# KiCad board TFLN_AI_NODE_X2_routed.kicad_pcb (continued)
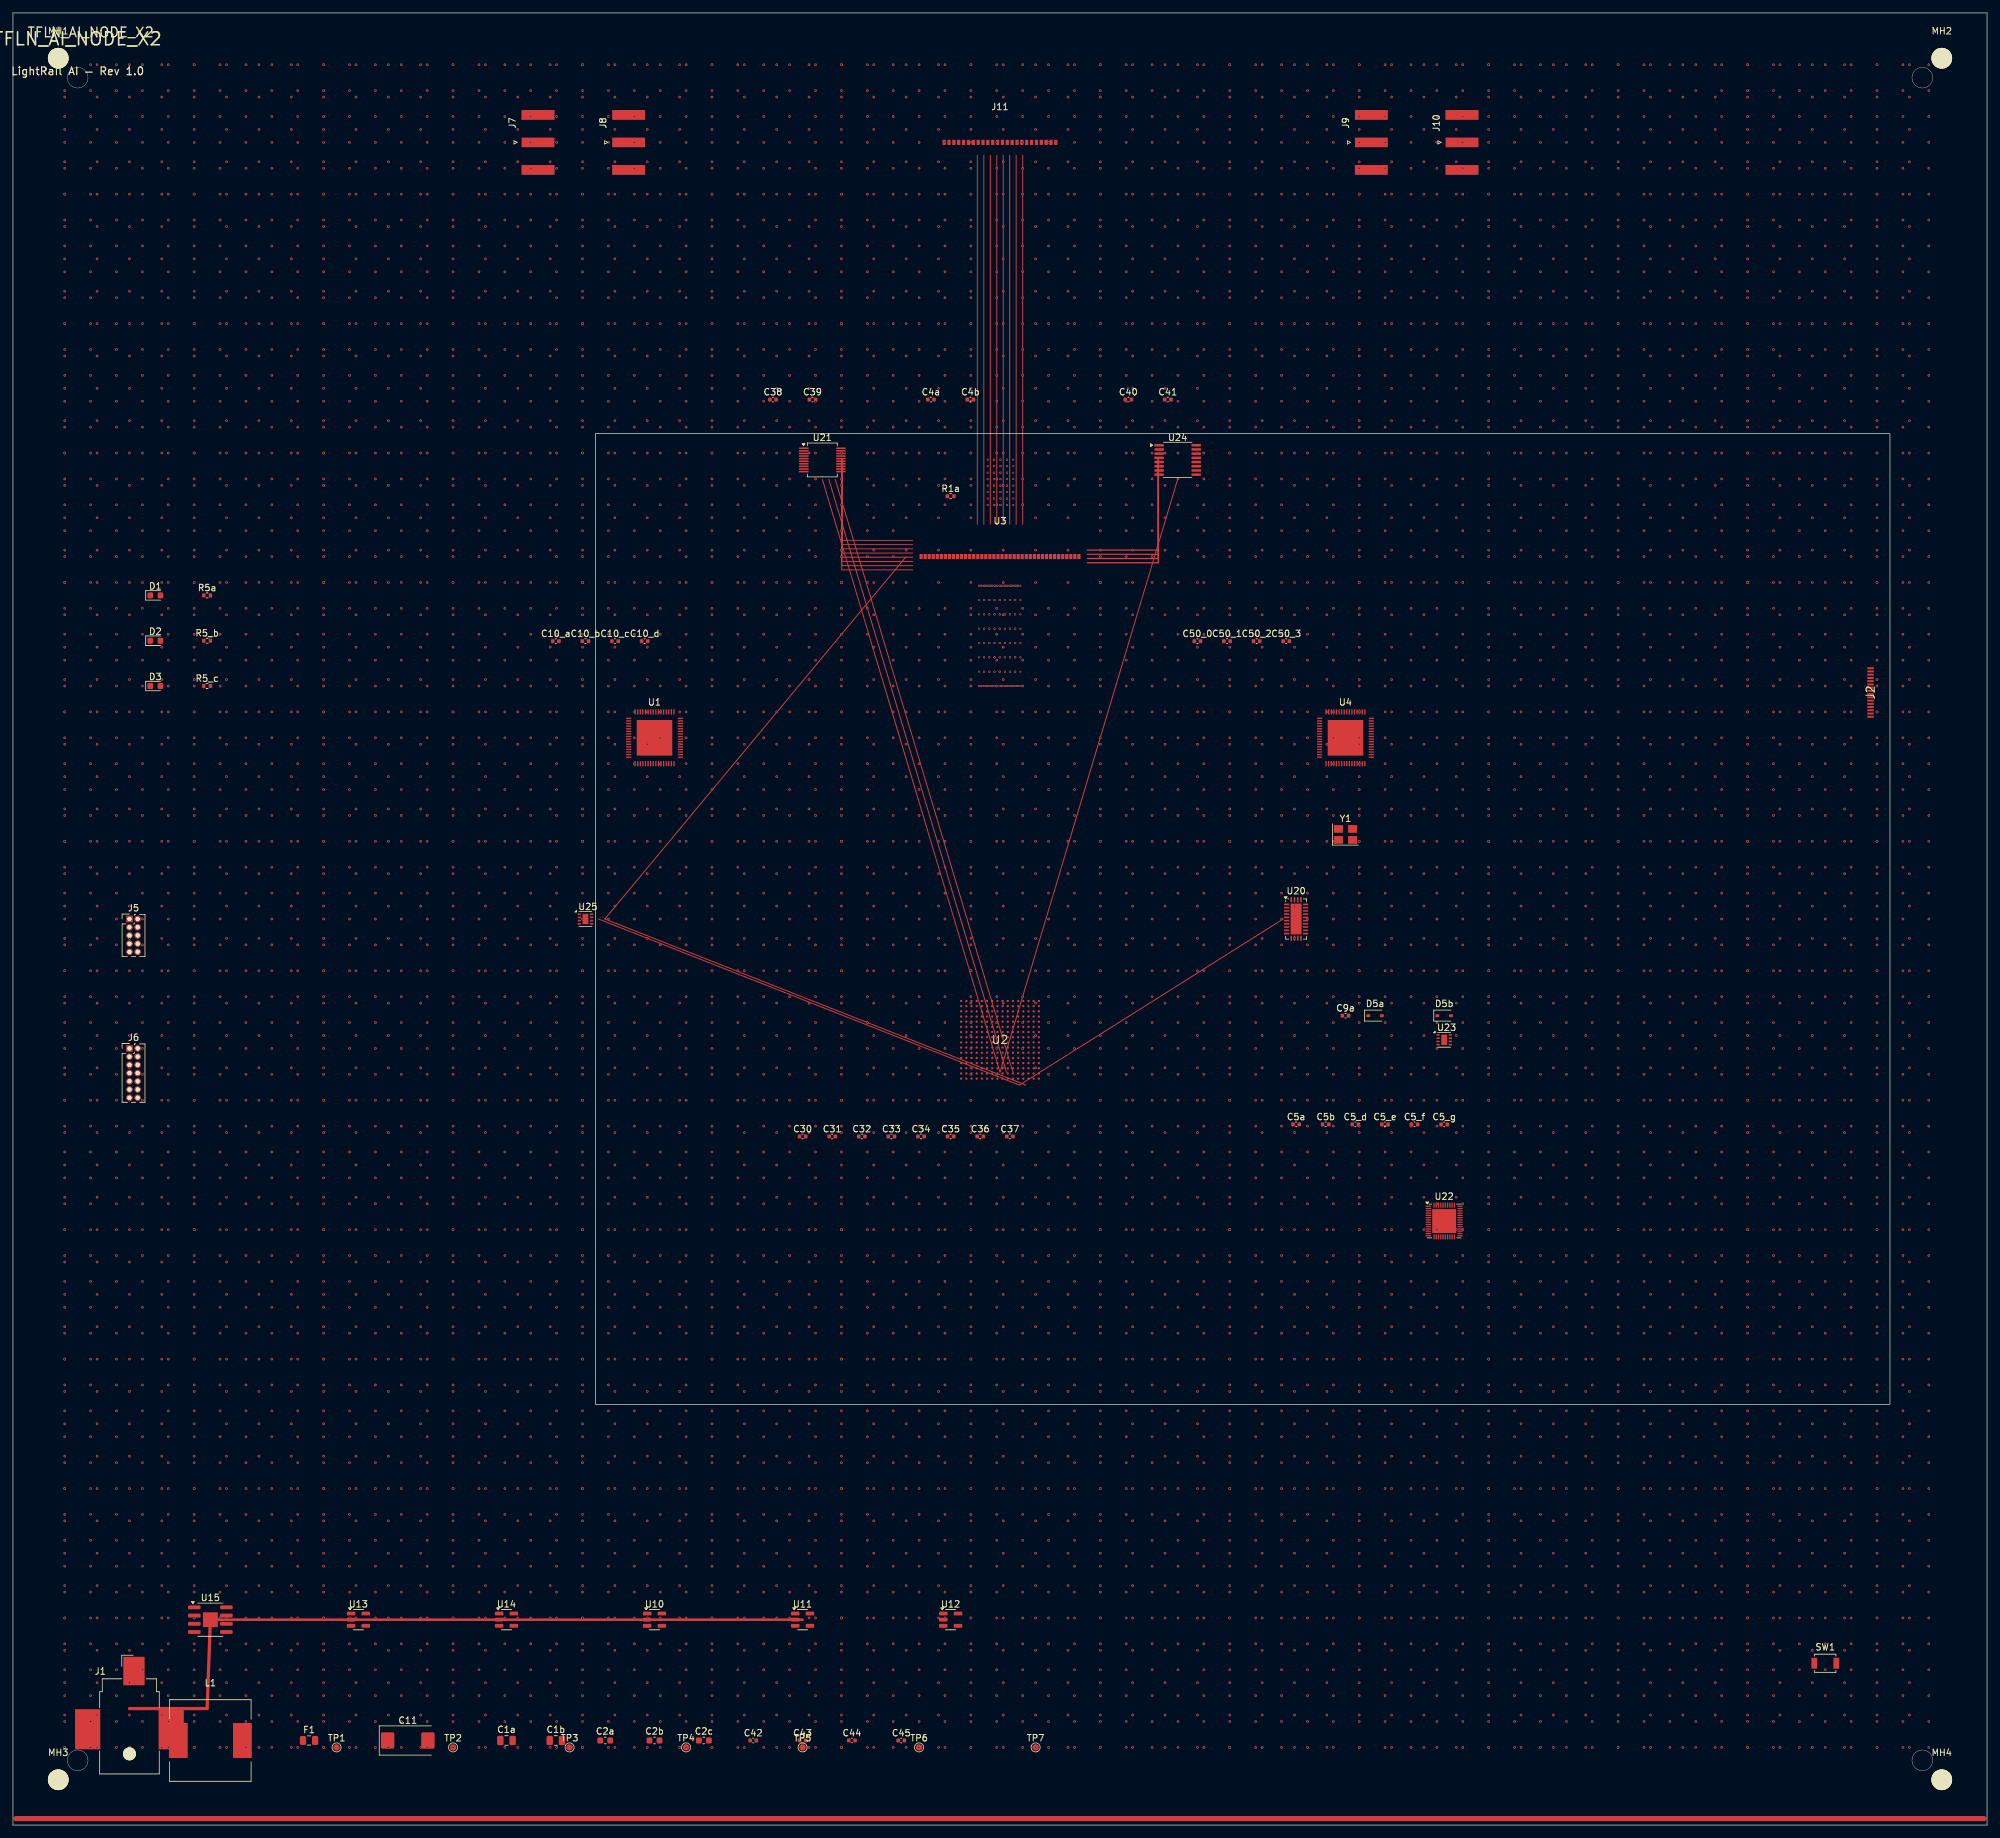
[diagram p0: board, top side]
## Routing (per net, layer and track width the routed paths; a pad name or vN(x,y) marks a point on that pad's centre or on a via; arc(x,y) is an arc through that point) (continued)
v1(143,192) v1(143,187) v1(143,182) v1(143,177) v1(143,172) v1(143,162) v1(143,157) v1(143,152) v1(143,147) v1(143,142) v1(143,137) v1(143,132) v1(143,127) v1(143,122) v1(143,117) v1(143,112) v1(143,107) v1(143,102) v1(143,97) v1(143,92) v1(143,87) v1(143,82) v1(143,77) v1(143,72) v1(143,67) v1(143,62) v1(143,57) v1(143,52) v1(143,47) v1(143,42) v1(143,37) v1(143,27) v1(143,22) v1(143,17) v1(143,12) v1(144,272) v1(144,268) v1(144,264) v1(144,256) v1(144,252) v1(144,248) v1(144,244) v1(144,240) v1(144,236) v1(144,232) v1(144,228) v1(144,224) v1(144,220) v1(144,216) v1(144,212) v1(144,208) v1(144,204) v1(144,188) v1(144,184) v1(144,180) v1(144,176) v1(144,172) v1(144,168) v1(144,164) v1(144,160) v1(144,156) v1(144,152) v1(144,148) v1(144,144) v1(144,140) v1(144,136) v1(144,132) v1(144,128) v1(144,124) v1(144,120) v1(144,116) v1(144,112) v1(144,108) v1(144,104) v1(144,100) v1(144,96) v1(144,92) v1(144,88) v1(144,84) v1(144,80) v1(144,76) v1(144,72) v1(144,68) v1(144,64) v1(144,60) v1(144,56) v1(144,52) v1(144,48) v1(144,44) v1(144,40) v1(144,36) v1(144,28) v1(144,24) v1(144,20) v1(144,16) v1(144,12) v1(148,272) v1(148,272) v1(148,268) v1(148,267) v1(148,264) v1(148,262) v1(148,260) v1(148,257) v1(148,256) v1(148,252) v1(148,252) v1(148,248) v1(148,247) v1(148,244) v1(148,242) v1(148,240) v1(148,237) v1(148,236) v1(148,232) v1(148,232) v1(148,228) v1(148,227) v1(148,224) v1(148,222) v1(148,220) v1(148,217) v1(148,216) v1(148,212) v1(148,212) v1(148,208) v1(148,207) v1(148,204) v1(148,202) v1(148,197) v1(148,192) v1(148,188) v1(148,187) v1(148,184) v1(148,182) v1(148,180) v1(148,177) v1(148,176) v1(148,172) v1(148,172) v1(148,168) v1(148,164) v1(148,162) v1(148,160) v1(148,157) v1(148,156) v1(148,152) v1(148,152) v1(148,148) v1(148,147) v1(148,144) v1(148,142) v1(148,140) v1(148,137) v1(148,136) v1(148,132) v1(148,132) v1(148,128) v1(148,124) v1(148,122) v1(148,120) v1(148,117) v1(148,116) v1(148,112) v1(148,112) v1(148,108) v1(148,107) v1(148,104) v1(148,102) v1(148,100) v1(148,97) v1(148,96) v1(148,92) v1(148,92) v1(148,88) v1(148,87) v1(148,84) v1(148,82) v1(148,80) v1(148,77) v1(148,76) v1(148,72) v1(148,72) v1(148,68) v1(148,67) v1(148,64) v1(148,62) v1(148,60) v1(148,57) v1(148,56) v1(148,52) v1(148,52) v1(148,48) v1(148,47) v1(148,44) v1(148,42) v1(148,40) v1(148,37) v1(148,36) v1(148,32) v1(148,32) v1(148,28) v1(148,27) v1(148,24) v1(148,22) v1(148,20) v1(148,17) v1(148,16) v1(148,12) v1(148,12) v1(152,272) v1(152,268) v1(152,264) v1(152,260) v1(152,256) v1(152,252) v1(152,248) v1(152,244) v1(152,240) v1(152,236) v1(152,232) v1(152,228) v1(152,224) v1(152,220) v1(152,216) v1(152,212) v1(152,208) v1(152,204) v1(152,188) v1(152,184) v1(152,180) v1(152,176) v1(152,172) v1(152,168) v1(152,164) v1(152,160) v1(152,156) v1(152,152) v1(152,148) v1(152,144) v1(152,140) v1(152,136) v1(152,132) v1(152,128) v1(152,124) v1(152,120) v1(152,116) v1(152,112) v1(152,108) v1(152,104) v1(152,100) v1(152,96) v1(152,92) v1(152,88) v1(152,84) v1(152,80) v1(152,76) v1(152,72) v1(152,68) v1(152,64) v1(152,60) v1(152,56) v1(152,52) v1(152,48) v1(152,44) v1(152,40) v1(152,36) v1(152,32) v1(152,28) v1(152,24) v1(152,20) v1(152,16) v1(152,12) v1(153,272) v1(153,267) v1(153,262) v1(153,257) v1(153,252) v1(153,247) v1(153,242) v1(153,237) v1(153,232) v1(153,227) v1(153,222) v1(153,217) v1(153,212) v1(153,207) v1(153,202) v1(153,197) v1(153,192) v1(153,187) v1(153,182) v1(153,177) v1(153,172) v1(153,167) v1(153,162) v1(153,157) v1(153,152) v1(153,147) v1(153,142) v1(153,137) v1(153,132) v1(153,122) v1(153,117) v1(153,112) v1(153,107) v1(153,102) v1(153,97) v1(153,92) v1(153,87) v1(153,82) v1(153,77) v1(153,72) v1(153,67) v1(153,62) v1(153,57) v1(153,52) v1(153,47) v1(153,42) v1(153,37) v1(153,32) v1(153,27) v1(153,22) v1(153,17) v1(153,12) v1(156,272) v1(156,268) v1(156,264) v1(156,260) v1(156,256) v1(156,252) v1(156,248) v1(156,244) v1(156,240) v1(156,236) v1(156,232) v1(156,228) v1(156,224) v1(156,220) v1(156,216) v1(156,212) v1(156,208) v1(156,204) v1(156,188) v1(156,184) v1(156,180) v1(156,176) v1(156,172) v1(156,168) v1(156,164) v1(156,160) v1(156,156) v1(156,152) v1(156,148) v1(156,144) v1(156,140) v1(156,136) v1(156,132) v1(156,128) v1(156,124) v1(156,120) v1(156,116) v1(156,112) v1(156,108) v1(156,104) v1(156,100) v1(156,96) v1(156,92) v1(156,88) v1(156,84) v1(156,80) v1(156,76) v1(156,72) v1(156,68) v1(156,64) v1(156,60) v1(156,56) v1(156,52) v1(156,48) v1(156,44) v1(156,40) v1(156,36) v1(156,32) v1(156,28) v1(156,24) v1(156,20) v1(156,16) v1(156,12) v1(158,272) v1(158,267) v1(158,262) v1(158,257) v1(158,252) v1(158,247) v1(158,242) v1(158,237) v1(158,232) v1(158,227) v1(158,222) v1(158,217) v1(158,212) v1(158,207) v1(158,202) v1(158,197) v1(158,192) v1(158,187) v1(158,182) v1(158,177) v1(158,172) v1(158,167) v1(158,162) v1(158,157) v1(158,152) v1(158,147) v1(158,142) v1(158,137) v1(158,132) v1(158,127) v1(158,122) v1(158,117) v1(158,112) v1(158,107) v1(158,102) v1(158,97) v1(158,92) v1(158,87) v1(158,82) v1(158,77) v1(158,72) v1(158,67) v1(158,62) v1(158,57) v1(158,52) v1(158,47) v1(158,42) v1(158,37) v1(158,32) v1(158,27) v1(158,22) v1(158,17) v1(158,12) v1(160,272) v1(160,268) v1(160,264) v1(160,260) v1(160,256) v1(160,252) v1(160,248) v1(160,244) v1(160,240) v1(160,236) v1(160,232) v1(160,228) v1(160,224) v1(160,220) v1(160,216) v1(160,212) v1(160,208) v1(160,204) v1(160,188) v1(160,184) v1(160,180) v1(160,176) v1(160,172) v1(160,168) v1(160,164) v1(160,160) v1(160,156) v1(160,152) v1(160,148) v1(160,144) v1(160,140) v1(160,136) v1(160,132) v1(160,128) v1(160,124) v1(160,120) v1(160,116) v1(160,112) v1(160,108) v1(160,104) v1(160,100) v1(160,96) v1(160,92) v1(160,88) v1(160,84) v1(160,80) v1(160,76) v1(160,72) v1(160,68) v1(160,64) v1(160,60) v1(160,56) v1(160,52) v1(160,48) v1(160,44) v1(160,40) v1(160,36) v1(160,32) v1(160,28) v1(160,24) v1(160,20) v1(160,16) v1(160,12) v1(163,272) v1(163,267) v1(163,262) v1(163,257) v1(163,252) v1(163,247) v1(163,242) v1(163,237) v1(163,232) v1(163,227) v1(163,222) v1(163,217) v1(163,212) v1(163,207) v1(163,202) v1(163,197) v1(163,192) v1(163,187) v1(163,182) v1(163,177) v1(163,172) v1(163,167) v1(163,162) v1(163,157) v1(163,152) v1(163,147) v1(163,142) v1(163,137) v1(163,132) v1(163,127) v1(163,122) v1(163,117) v1(163,112) v1(163,107) v1(163,102) v1(163,97) v1(163,92) v1(163,87) v1(163,82) v1(163,77) v1(163,72) v1(163,67) v1(163,62) v1(163,57) v1(163,52) v1(163,47) v1(163,42) v1(163,37) v1(163,32) v1(163,27) v1(163,22) v1(163,17) v1(163,12) v1(164,272) v1(164,268) v1(164,264) v1(164,260) v1(164,256) v1(164,252) v1(164,248) v1(164,244) v1(164,240) v1(164,236) v1(164,232) v1(164,228) v1(164,224) v1(164,220) v1(164,216) v1(164,212) v1(164,208) v1(164,204) v1(164,188) v1(164,184) v1(164,180) v1(164,176) v1(164,172) v1(164,168) v1(164,164) v1(164,160) v1(164,156) v1(164,152) v1(164,148) v1(164,144) v1(164,140) v1(164,136) v1(164,132) v1(164,128) v1(164,124) v1(164,120) v1(164,116) v1(164,112) v1(164,108) v1(164,104) v1(164,100) v1(164,96) v1(164,92) v1(164,88) v1(164,84) v1(164,80) v1(164,76) v1(164,72) v1(164,68) v1(164,64) v1(164,60) v1(164,56) v1(164,52) v1(164,48) v1(164,44) v1(164,40) v1(164,36) v1(164,32) v1(164,28) v1(164,24) v1(164,20) v1(164,16) v1(164,12) v1(168,272) v1(168,272) v1(168,268) v1(168,267) v1(168,264) v1(168,262) v1(168,260) v1(168,257) v1(168,256) v1(168,252) v1(168,252) v1(168,248) v1(168,247) v1(168,244) v1(168,242) v1(168,240) v1(168,237) v1(168,236) v1(168,232) v1(168,232) v1(168,228) v1(168,227) v1(168,224) v1(168,222) v1(168,220) v1(168,217) v1(168,216) v1(168,212) v1(168,212) v1(168,208) v1(168,207) v1(168,204) v1(168,202) v1(168,200) v1(168,197) v1(168,196) v1(168,192) v1(168,192) v1(168,188) v1(168,187) v1(168,184) v1(168,182) v1(168,180) v1(168,177) v1(168,176) v1(168,172) v1(168,172) v1(168,168) v1(168,167) v1(168,164) v1(168,162) v1(168,160) v1(168,157) v1(168,156) v1(168,152) v1(168,152) v1(168,148) v1(168,147) v1(168,144) v1(168,142) v1(168,140) v1(168,137) v1(168,136) v1(168,132) v1(168,132) v1(168,128) v1(168,127) v1(168,124) v1(168,122) v1(168,120) v1(168,117) v1(168,116) v1(168,112) v1(168,112) v1(168,108) v1(168,107) v1(168,104) v1(168,102) v1(168,100) v1(168,97) v1(168,96) v1(168,92) v1(168,92) v1(168,88) v1(168,87) v1(168,84) v1(168,82) v1(168,80) v1(168,77) v1(168,76) v1(168,72) v1(168,72) v1(168,68) v1(168,67) v1(168,64) v1(168,62) v1(168,60) v1(168,57) v1(168,56) v1(168,52) v1(168,52) v1(168,48) v1(168,47) v1(168,44) v1(168,42) v1(168,40) v1(168,37) v1(168,36) v1(168,32) v1(168,32) v1(168,28) v1(168,27) v1(168,24) v1(168,22) v1(168,20) v1(168,17) v1(168,16) v1(168,12) v1(168,12) v1(172,272) v1(172,268) v1(172,264) v1(172,260) v1(172,256) v1(172,252) v1(172,248) v1(172,244) v1(172,240) v1(172,236) v1(172,232) v1(172,228) v1(172,224) v1(172,216) v1(172,212) v1(172,208) v1(172,204) v1(172,200) v1(172,196) v1(172,192) v1(172,188) v1(172,184) v1(172,180) v1(172,176) v1(172,172) v1(172,168) v1(172,164) v1(172,160) v1(172,156) v1(172,152) v1(172,148) v1(172,144) v1(172,140) v1(172,136) v1(172,132) v1(172,128) v1(172,124) v1(172,120) v1(172,116) v1(172,112) v1(172,108) v1(172,104) v1(172,100) v1(172,96) v1(172,92) v1(172,88) v1(172,84) v1(172,80) v1(172,76) v1(172,72) v1(172,68) v1(172,64) v1(172,60) v1(172,56) v1(172,52) v1(172,48) v1(172,44) v1(172,40) v1(172,36) v1(172,32) v1(172,28) v1(172,24) v1(172,20) v1(172,16) v1(172,12) v1(173,272) v1(173,267) v1(173,262) v1(173,257) v1(173,252) v1(173,247) v1(173,242) v1(173,237) v1(173,232) v1(173,227) v1(173,222) v1(173,217) v1(173,212) v1(173,207) v1(173,202) v1(173,197) v1(173,192) v1(173,187) v1(173,182) v1(173,177) v1(173,172) v1(173,167) v1(173,162) v1(173,157) v1(173,152) v1(173,147) v1(173,142) v1(173,137) v1(173,132) v1(173,127) v1(173,122) v1(173,117) v1(173,112) v1(173,107) v1(173,102) v1(173,97) v1(173,92) v1(173,87) v1(173,82) v1(173,77) v1(173,72) v1(173,67) v1(173,62) v1(173,57) v1(173,52) v1(173,47) v1(173,42) v1(173,37) v1(173,32) v1(173,27) v1(173,22) v1(173,17) v1(173,12) v1(176,272) v1(176,268) v1(176,264) v1(176,260) v1(176,256) v1(176,252) v1(176,248) v1(176,244) v1(176,240) v1(176,236) v1(176,232) v1(176,228) v1(176,224) v1(176,220) v1(176,216) v1(176,212) v1(176,208) v1(176,204) v1(176,200) v1(176,196) v1(176,192) v1(176,188) v1(176,184) v1(176,180) v1(176,176) v1(176,172) v1(176,168) v1(176,164) v1(176,160) v1(176,156) v1(176,152) v1(176,148) v1(176,144) v1(176,140) v1(176,136) v1(176,132) v1(176,128) v1(176,124) v1(176,120) v1(176,116) v1(176,112) v1(176,108) v1(176,104) v1(176,100) v1(176,96) v1(176,92) v1(176,88) v1(176,84) v1(176,80) v1(176,76) v1(176,72) v1(176,68) v1(176,64) v1(176,60) v1(176,56) v1(176,52) v1(176,48) v1(176,44) v1(176,40) v1(176,36) v1(176,32) v1(176,28) v1(176,24) v1(176,20) v1(176,16) v1(176,12) v1(178,272) v1(178,267) v1(178,262) v1(178,257) v1(178,252) v1(178,247) v1(178,242) v1(178,237) v1(178,232) v1(178,227) v1(178,222) v1(178,217) v1(178,212) v1(178,207) v1(178,202) v1(178,197) v1(178,192) v1(178,187) v1(178,182) v1(178,177) v1(178,172) v1(178,167) v1(178,162) v1(178,157) v1(178,152) v1(178,147) v1(178,142) v1(178,137) v1(178,132) v1(178,127) v1(178,122) v1(178,117) v1(178,112) v1(178,107) v1(178,102) v1(178,97) v1(178,92) v1(178,87) v1(178,82) v1(178,77) v1(178,72) v1(178,67) v1(178,62) v1(178,57) v1(178,52) v1(178,47) v1(178,42) v1(178,37) v1(178,32) v1(178,27) v1(178,22) v1(178,17) v1(178,12) v1(180,272) v1(180,268) v1(180,264) v1(180,260) v1(180,256) v1(180,252) v1(180,248) v1(180,244) v1(180,240) v1(180,236) v1(180,232) v1(180,228) v1(180,224) v1(180,220) v1(180,216) v1(180,212) v1(180,208) v1(180,204) v1(180,200) v1(180,196) v1(180,192) v1(180,188) v1(180,184) v1(180,180) v1(180,176) v1(180,172) v1(180,168) v1(180,164) v1(180,160) v1(180,156) v1(180,152) v1(180,148) v1(180,144) v1(180,140) v1(180,136) v1(180,132) v1(180,128) v1(180,124) v1(180,120) v1(180,116) v1(180,112) v1(180,108) v1(180,104) v1(180,100) v1(180,96) v1(180,92) v1(180,88) v1(180,84) v1(180,80) v1(180,76) v1(180,72) v1(180,68) v1(180,64) v1(180,60) v1(180,56) v1(180,52) v1(180,48) v1(180,44) v1(180,40) v1(180,36) v1(180,32) v1(180,28) v1(180,24) v1(180,20) v1(180,16) v1(180,12) v1(183,272) v1(183,267) v1(183,262) v1(183,257) v1(183,252) v1(183,247) v1(183,242) v1(183,237) v1(183,232) v1(183,227) v1(183,222) v1(183,217) v1(183,207) v1(183,202) v1(183,197) v1(183,192) v1(183,187) v1(183,182) v1(183,177) v1(183,172) v1(183,167) v1(183,162) v1(183,157) v1(183,152) v1(183,147) v1(183,142) v1(183,137) v1(183,132) v1(183,127) v1(183,122) v1(183,117) v1(183,112) v1(183,107) v1(183,102) v1(183,97) v1(183,92) v1(183,87) v1(183,82) v1(183,77) v1(183,72) v1(183,67) v1(183,62) v1(183,57) v1(183,52) v1(183,47) v1(183,42) v1(183,37) v1(183,32) v1(183,27) v1(183,22) v1(183,17) v1(183,12) v1(184,272) v1(184,268) v1(184,264) v1(184,260) v1(184,256) v1(184,252) v1(184,248) v1(184,244) v1(184,240) v1(184,236) v1(184,232) v1(184,228) v1(184,224) v1(184,220) v1(184,216) v1(184,212) v1(184,208) v1(184,204) v1(184,200) v1(184,196) v1(184,192) v1(184,188) v1(184,184) v1(184,180) v1(184,176) v1(184,172) v1(184,168) v1(184,164) v1(184,160) v1(184,156) v1(184,152) v1(184,148) v1(184,144) v1(184,140) v1(184,136) v1(184,132) v1(184,128) v1(184,124) v1(184,120) v1(184,116) v1(184,112) v1(184,108) v1(184,104) v1(184,100) v1(184,96) v1(184,92) v1(184,88) v1(184,84) v1(184,80) v1(184,76) v1(184,72) v1(184,68) v1(184,64) v1(184,60) v1(184,56) v1(184,52) v1(184,48) v1(184,44) v1(184,40) v1(184,36) v1(184,32) v1(184,28) v1(184,24) v1(184,20) v1(184,16) v1(184,12) v1(188,272) v1(188,272) v1(188,268) v1(188,267) v1(188,264) v1(188,262) v1(188,260) v1(188,257) v1(188,256) v1(188,252) v1(188,252) v1(188,248) v1(188,247) v1(188,244) v1(188,242) v1(188,240) v1(188,237) v1(188,236) v1(188,232) v1(188,232) v1(188,228) v1(188,227) v1(188,224) v1(188,222) v1(188,220) v1(188,217) v1(188,216) v1(188,212) v1(188,212) v1(188,208) v1(188,207) v1(188,204) v1(188,202) v1(188,200) v1(188,197) v1(188,196) v1(188,192) v1(188,192) v1(188,188) v1(188,187) v1(188,184) v1(188,182) v1(188,180) v1(188,177) v1(188,176) v1(188,172) v1(188,172) v1(188,168) v1(188,167) v1(188,164) v1(188,162) v1(188,160) v1(188,157) v1(188,156) v1(188,152) v1(188,152) v1(188,148) v1(188,147) v1(188,144) v1(188,142) v1(188,140) v1(188,137) v1(188,136) v1(188,132) v1(188,132) v1(188,128) v1(188,127) v1(188,124) v1(188,122) v1(188,120) v1(188,117) v1(188,116) v1(188,112) v1(188,112) v1(188,108) v1(188,107) v1(188,104) v1(188,102) v1(188,100) v1(188,97) v1(188,96) v1(188,92) v1(188,92) v1(188,88) v1(188,87) v1(188,84) v1(188,82) v1(188,80) v1(188,77) v1(188,76) v1(188,72) v1(188,72) v1(188,68) v1(188,67) v1(188,64) v1(188,62) v1(188,60) v1(188,57) v1(188,56) v1(188,52) v1(188,52) v1(188,48) v1(188,47) v1(188,44) v1(188,42) v1(188,40) v1(188,37) v1(188,36) v1(188,32) v1(188,32) v1(188,28) v1(188,27) v1(188,24) v1(188,22) v1(188,20) v1(188,17) v1(188,16) v1(188,12) v1(188,12) v1(192,272) v1(192,268) v1(192,264) v1(192,260) v1(192,256) v1(192,252) v1(192,248) v1(192,244) v1(192,240) v1(192,236) v1(192,232) v1(192,228) v1(192,224) v1(192,220) v1(192,216) v1(192,212) v1(192,208) v1(192,204) v1(192,200) v1(192,196) v1(192,192) v1(192,188) v1(192,184) v1(192,180) v1(192,176) v1(192,172) v1(192,168) v1(192,164) v1(192,160) v1(192,156) v1(192,152) v1(192,148) v1(192,144) v1(192,140) v1(192,136) v1(192,132) v1(192,128) v1(192,124) v1(192,120) v1(192,116) v1(192,112) v1(192,108) v1(192,104) v1(192,100) v1(192,96) v1(192,92) v1(192,88) v1(192,84) v1(192,80) v1(192,76) v1(192,72) v1(192,68) v1(192,64) v1(192,60) v1(192,56) v1(192,52) v1(192,48) v1(192,44) v1(192,40) v1(192,36) v1(192,32) v1(192,28) v1(192,24) v1(192,20) v1(192,16) v1(192,12) v1(193,272) v1(193,267) v1(193,262) v1(193,257) v1(193,252) v1(193,247) v1(193,242) v1(193,237) v1(193,232) v1(193,227) v1(193,222) v1(193,217) v1(193,212) v1(193,207) v1(193,202) v1(193,197) v1(193,192) v1(193,187) v1(193,182) v1(193,177) v1(193,172) v1(193,167) v1(193,162) v1(193,157) v1(193,152) v1(193,147) v1(193,142) v1(193,137) v1(193,132) v1(193,127) v1(193,122) v1(193,117) v1(193,112) v1(193,107) v1(193,102) v1(193,97) v1(193,92) v1(193,87) v1(193,82) v1(193,77) v1(193,72) v1(193,67) v1(193,62) v1(193,57) v1(193,52) v1(193,47) v1(193,42) v1(193,37) v1(193,32) v1(193,27) v1(193,22) v1(193,17) v1(193,12) v1(196,272) v1(196,268) v1(196,264) v1(196,260) v1(196,256) v1(196,252) v1(196,248) v1(196,244) v1(196,240) v1(196,236) v1(196,232) v1(196,228) v1(196,224) v1(196,220) v1(196,216) v1(196,212) v1(196,208) v1(196,204) v1(196,200) v1(196,196) v1(196,192) v1(196,188) v1(196,184) v1(196,180) v1(196,176) v1(196,172) v1(196,168) v1(196,164) v1(196,160) v1(196,156) v1(196,152) v1(196,148) v1(196,144) v1(196,140) v1(196,136) v1(196,132) v1(196,128) v1(196,124) v1(196,120) v1(196,116) v1(196,112) v1(196,108) v1(196,104) v1(196,100) v1(196,96) v1(196,92) v1(196,88) v1(196,84) v1(196,80) v1(196,76) v1(196,72) v1(196,68) v1(196,64) v1(196,60) v1(196,56) v1(196,52) v1(196,48) v1(196,44) v1(196,40) v1(196,36) v1(196,32) v1(196,28) v1(196,24) v1(196,20) v1(196,16) v1(196,12) v1(198,272) v1(198,267) v1(198,262) v1(198,257) v1(198,252) v1(198,247) v1(198,242) v1(198,237) v1(198,232) v1(198,227) v1(198,222) v1(198,217) v1(198,212) v1(198,207) v1(198,202) v1(198,197) v1(198,192) v1(198,187) v1(198,182) v1(198,177) v1(198,172) v1(198,167) v1(198,162) v1(198,157) v1(198,152) v1(198,147) v1(198,142) v1(198,132) v1(198,127) v1(198,122) v1(198,117) v1(198,112) v1(198,107) v1(198,102) v1(198,97) v1(198,92) v1(198,87) v1(198,82) v1(198,77) v1(198,72) v1(198,67) v1(198,62) v1(198,57) v1(198,52) v1(198,47) v1(198,42) v1(198,37) v1(198,32) v1(198,27) v1(198,22) v1(198,17) v1(198,12) v1(200,272) v1(200,268) v1(200,264) v1(200,260) v1(200,256) v1(200,252) v1(200,248) v1(200,244) v1(200,240) v1(200,236) v1(200,232) v1(200,228) v1(200,224) v1(200,220) v1(200,216) v1(200,212) v1(200,208) v1(200,204) v1(200,200) v1(200,196) v1(200,192) v1(200,188) v1(200,184) v1(200,180) v1(200,176) v1(200,172) v1(200,168) v1(200,164) v1(200,160) v1(200,156) v1(200,152) v1(200,148) v1(200,144) v1(200,140) v1(200,136) v1(200,132) v1(200,128) v1(200,124) v1(200,120) v1(200,116) v1(200,112) v1(200,108) v1(200,104) v1(200,100) v1(200,96) v1(200,92) v1(200,88) v1(200,84) v1(200,80) v1(200,76) v1(200,72) v1(200,68) v1(200,64) v1(200,60) v1(200,56) v1(200,52) v1(200,48) v1(200,44) v1(200,40) v1(200,36) v1(200,32) v1(200,28) v1(200,24) v1(200,20) v1(200,16) v1(200,12) v1(203,272) v1(203,267) v1(203,262) v1(203,257) v1(203,252) v1(203,247) v1(203,242) v1(203,237) v1(203,232) v1(203,227) v1(203,222) v1(203,217) v1(203,212) v1(203,207) v1(203,202) v1(203,197) v1(203,192) v1(203,187) v1(203,182) v1(203,177) v1(203,172) v1(203,167) v1(203,162) v1(203,157) v1(203,152) v1(203,147) v1(203,142) v1(203,137) v1(203,132) v1(203,127) v1(203,122) v1(203,117) v1(203,112) v1(203,107) v1(203,102) v1(203,97) v1(203,92) v1(203,87) v1(203,82) v1(203,77) v1(203,72) v1(203,67) v1(203,62) v1(203,57) v1(203,52) v1(203,47) v1(203,42) v1(203,37) v1(203,32) v1(203,27) v1(203,22) v1(203,17) v1(203,12) v1(204,272) v1(204,268) v1(204,264) v1(204,260) v1(204,256) v1(204,252) v1(204,248) v1(204,244) v1(204,240) v1(204,236) v1(204,232) v1(204,228) v1(204,224) v1(204,220) v1(204,216) v1(204,212) v1(204,208) v1(204,204) v1(204,200) v1(204,196) v1(204,192) v1(204,188) v1(204,184) v1(204,180) v1(204,176) v1(204,168) v1(204,160) v1(204,156) v1(204,148) v1(204,144) v1(204,140) v1(204,136) v1(204,132) v1(204,128) v1(204,124) v1(204,120) v1(204,116) v1(204,112) v1(204,108) v1(204,104) v1(204,100) v1(204,96) v1(204,92) v1(204,88) v1(204,84) v1(204,80) v1(204,76) v1(204,72) v1(204,68) v1(204,64) v1(204,60) v1(204,56) v1(204,52) v1(204,48) v1(204,44) v1(204,40) v1(204,36) v1(204,32) v1(204,28) v1(204,24) v1(204,20) v1(204,16) v1(204,12) v1(208,272) v1(208,272) v1(208,268) v1(208,267) v1(208,264) v1(208,262) v1(208,257) v1(208,256) v1(208,252) v1(208,252) v1(208,248) v1(208,247) v1(208,244) v1(208,242) v1(208,240) v1(208,237) v1(208,236) 